# Altium PCB ZYNQ_JTY_16CH.PcbDoc (part 1 of 4) (continued)
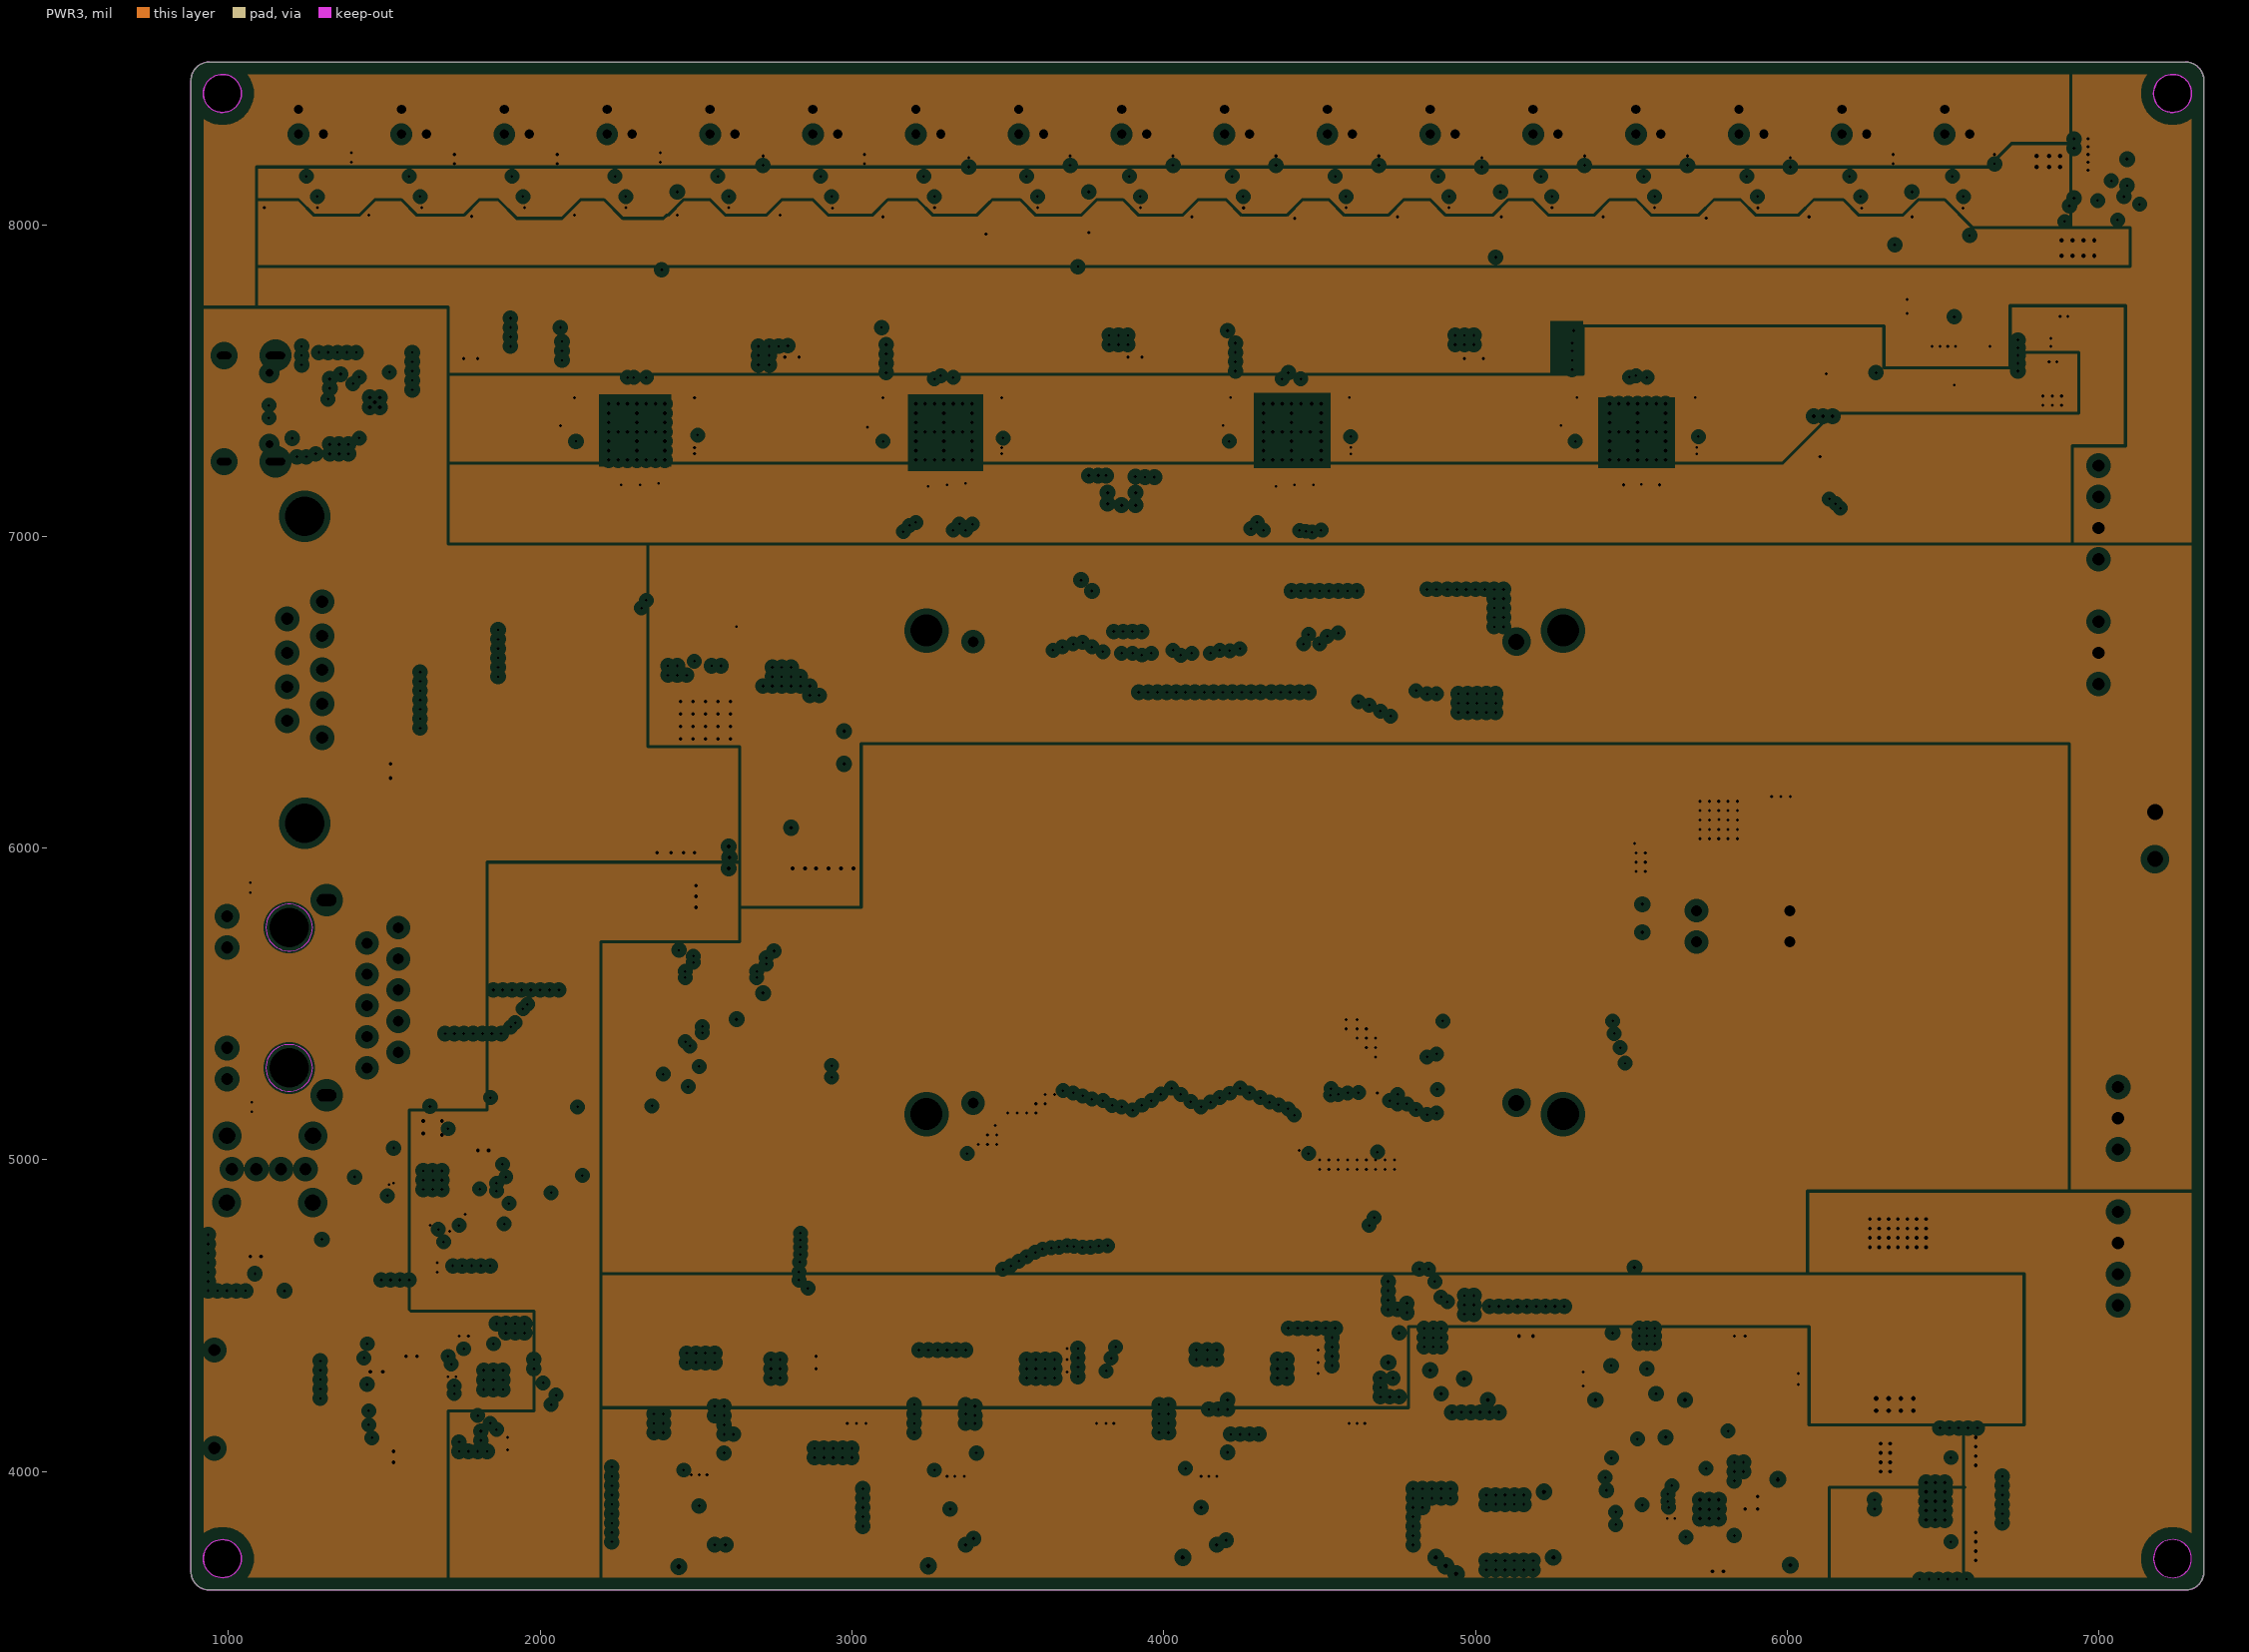
[diagram p3: PWR3, clearances drawn from the general rule]

## Layer stack, top to bottom
Top Solder: solder mask 0.4, Solder Resist, Dk 3.5
Top1: signal copper 1.4
Dielectric 2: prepreg 2.8, PP-006, Dk 4.1
GND2: plane copper 0.689, net (Multiple Nets)
Dielectric 1: dielectric 12.6, FR-4, Dk 4.8
PWR3: plane copper 0.689, net (Multiple Nets)
Dielectric 3: prepreg 2.8, PP-006, Dk 4.1
Bottom4: signal copper 1.4
Bottom Solder: solder mask 0.4, Solder Resist, Dk 3.5

## Board outline
939.07,3620 cw(c939.07,3679.06) 880.02,3679.06 880.02,8462.52 cw(c939.07,8462.52) 939.07,8521.58 7277.65,8521.58 cw(c7277.65,8462.52) 7336.71,8462.52 7336.71,3679.06 cw(c7277.65,3679.06) 7277.65,3620
cut-out: 980.83,8359.74 cw(c980.83,8420.77) 919.81,8420.77 cw(c980.83,8420.77) 980.83,8481.79 cw(c980.83,8420.77) 1041.85,8420.77 cw(c980.83,8420.77)
cut-out: 7235.89,8359.74 cw(c7235.89,8420.77) 7174.87,8420.77 cw(c7235.89,8420.77) 7235.89,8481.79 cw(c7235.89,8420.77) 7296.92,8420.77 cw(c7235.89,8420.77)
cut-out: 7174.87,3720.82 ccw(c7235.89,3720.82) 7235.89,3659.79 ccw(c7235.89,3720.82) 7296.92,3720.82 ccw(c7235.89,3720.82) 7235.89,3781.84 ccw(c7235.89,3720.82)
cut-out: 980.83,3659.79 cw(c980.83,3720.82) 919.81,3720.82 cw(c980.83,3720.82) 980.83,3781.84 cw(c980.83,3720.82) 1041.85,3720.82 cw(c980.83,3720.82)

## Design rules (kind name [scope] priority, off if disabled: settings)
Clearance Clearance_Polygon_keepout [OnLayer('Keep-Out Layer') vs InPolygon] p1: gap=10 ignorepadtopadclearanceinfootprint=TRUE
Clearance Clearance_Polygon [InPolygon] p2: gap=8 ignorepadtopadclearanceinfootprint=TRUE
Clearance [All] p3: gap=6 ignorepadtopadclearanceinfootprint=TRUE
ComponentClearance [All] p1: gap=1 collisioncheckmode=3 verticalgap=1 showdistances=FALSE
DiffPairsRouting DiffPair_90OhmDiffPairsRouting [InDifferentialPairClass('90Ohm')] p1: maxlimit=10.1 minlimit=9.9 mostfreqgap=10 toplayer_minwidth=6.3 toplayer_maxwidth=6.6 toplayer_prefwidth=6.49 bottomlayer_minwidth=6.3 bottomlayer_maxwidth=6.6 bottomlayer_prefwidth=6.49 maxuncoupledlength=500
DiffPairsRouting DiffPair_100OhmDiffPairsRouting [InDifferentialPairClass('100Ohm')] p2: maxlimit=10.2 minlimit=9.8 mostfreqgap=10 toplayer_minwidth=5 toplayer_maxwidth=5.24 toplayer_prefwidth=5.14 bottomlayer_minwidth=5 bottomlayer_maxwidth=5.24 bottomlayer_prefwidth=5.14 maxuncoupledlength=500
HoleSize [All] p1: absolutevalues=TRUE maxlimit=199 minlimit=1 maxpercent=80.000 minpercent=20.000
HoleToHoleClearance [All] p1: gap=5 allowstackedmicrovias=TRUE
MatchedLengths DiffPair_90OhmMatchedLengths [InDifferentialPairClass('90Ohm')] p1: tolerance=1000 checknetsindiffpair=FALSE checkdiffpairvsdiffpair=TRUE checkxsignals=TRUE checkothers=TRUE
MatchedLengths DiffPair_100OhmMatchedLengths [InDifferentialPairClass('100Ohm')] p2: tolerance=1000 checknetsindiffpair=FALSE checkdiffpairvsdiffpair=TRUE checkxsignals=TRUE checkothers=TRUE
PlaneClearance [All] p1: clearance=20
PlaneConnect [All] p1: planeconnectstyle=Direct reliefexpansion=20 reliefentries=4 reliefconductorwidth=10 reliefairgap=10
PolygonConnect [All] p1: connectstyle=Direct reliefconductorwidth=10 reliefentries=4 polygonreliefangle="90 Angle" airgapwidth=10
RoutingVias [All] p1: holewidth=6 width=10 viastyle="Through Hole" minholewidth=6 minwidth=10 maxholewidth=15 maxwidth=28
SolderMaskExpansion SolderMaskExpansion_Via [IsVia] p1: expansion=4 istentingtop=TRUE
SolderMaskExpansion [All] p2: expansion=2 istentingtop=FALSE
UnRoutedNet [All] p1: checkbadconnections=TRUE
Width Width_PWR [InNetClass('PWR')] p1: maxlimit=20 minlimit=8 preferedwidth=8
Width [All] p2: maxlimit=10 minlimit=6 preferedwidth=6
23 further rules are at their usual default settings.

## Classes and differential pairs
differential pair class 100Ohm: PHY1_MDI0 PHY1_MDI1 PHY1_MDI2 PHY1_MDI3
differential pair class 90Ohm: OTG_D
component class "Room Definition 41": C243 C244 C251 C252 C255 C256 R157 R159 U49 USB_UART1
component class "Room Definition 40": C249 R147 R148 R149 R150 U47
component class "Room Definition 39": C57 C58 C59 R53 U19
component class "Room Definition 38": C89 C90 C91 C92 C93 C96 C97 C98 C99 C100 C101 C102 C103 C104 C105 R56 R57 U17
component class "Room Definition 37": C106 C107 C108 C109 C110 C111 C112 C113 C114 C115 C123 C124 C127 C128 C129 R59 R60 U18
component class "Room Definition 36": C60 C61 C62 C63 C64 C77 C78 C79 C80 C81 C82 C83 C84 C85 C86 R54 R55 U16
component class "Room Definition 35": C52 C53 C54 C55 C56 C67 C68 C69 C70 C71 C72 C73 C74 C75 C76 R51 R52 U15
component class "Room Definition 34": C32 C33 C37 C40 C41 C43 C44 C45 C51 L3 R31 R32 R34 R35 R36 R37 R38 R39 R41 R42 R43 R44 R46 R47 R48 R49 U12
component class "Room Definition 33": C32 C33 C37 C40 C41 C43 C44 C45 C51 L3 R31 R32 R34 R35 R36 R37 R38 R42 R43 R44 R46 R47 R48 R49 U12
component class "Room Definition 32": C31 C34 C35 C36 C38 C39 L1 R33 R40 U10 U11
component class "Room Definition 31": C42 C46 C47 C48 C49 C50 L2 R45 R50 U13 U14
component class "Room Definition 30": C1 C2 C3 C4 C5 C6 C7 C8 C9 C10 R6 R7 R8 R9 R10 R11 R12 R13 U1 U2 U3
component class "Room Definition 29": C1 C2 C3 C4 C5 C6 C7 C8 C9 C10 R6 R7 R8 R9 R10 R11 R12 R13 U1 U3
component class "Room Definition 28": C11 C12 C13 C14 C15 C16 C17 C18 C19 C20 R15 R16 R17 R18 R19 R20 R21 R22 U4 U5 U6
component class "Room Definition 27": C21 C22 C23 C24 C25 C26 C27 C28 C29 C30 R23 R24 R25 R26 R27 R28 R29 R30 U7 U8 U9
component class "Room Definition 26": C221 C222 C223 C224 C225 R131 R132 R133 R134 R135 R136 V5
component class "Room Definition 25": C211 C212 C213 C214 C215 C216 C262 C263 R118 R119 R123 R124 R126 V6
component class "Room Definition 24": C226 C227 C228 C229 C230 R137 R138 V8
component class "Room Definition 23": C205 C206 C207 C208 C209 C210 R116 R117 R120 R121 V4
component class "Room Definition 22": C198 C199 C200 C201 C202 C203 LED2 R112 R113 R114 R115 R163
component class "Room Definition 21": C198 C199 C200 C201 C202 C203 R112 R113 R114 R115
component class "Room Definition 20": C204 C217 C218 C219 C220 L4 R122 R125 R128 R129 R130 V7
component class "Room Definition 19": C130 C131 C132 C133 C134 C135 C136 C137 C138 C139 C140 C141 C142 C143 C144 C145 C146 C147 C148 C149 C150 C151 C152 C153 C154 C155 C156 C157 C158 C159 C160 C161 C162 C163 C164 C165 C166 C167 C168 C169 C170 C171 C172 C173 C174 C175 C176 C177 C178 C179 C180 C181 C182 C183 C184 C185 C186 C187 C188 C189 C190 C191 C192 C193 C194 C195 C196 C197 P9 PW1 PW2 PW3 PW4 PX1 PX2 PX3 PX4 PY1 PY2 PY3 PY4 PZ1 PZ2 PZ3 PZ4 R61 R62 R63 R64 R65 R66 R67 R68 R69 R70 R71 R72 R73 R74 R75 R76 R77 R78 R79 R80 R81 R82 R83 R84 R85 R86 R87 R88 R89 R90 R91 R92 R93 R94 R95 R96 R97 R98 R99 R100 R101 R102 R103 R104 R105 R106 R107 R108 R109 R110 R111 U25 U26 U27 U28 U29 U30 U31 U32 U33 U34 U35 U36 U37 U38 U39 U40 U41
component class "Room Definition 18": C194 C195 C196 C197 P9 R109 R110 R111 U41
component class "Room Definition 17": C181 C185 C192 C193 PW4 R100 R104 R108 U40
component class "Room Definition 16": C165 C169 C176 C177 PW3 R88 R92 R96 U36
component class "Room Definition 15": C149 C153 C160 C161 PW2 R76 R80 R84 U32
component class "Room Definition 14": C133 C137 C144 C145 PW1 R64 R68 R72 U28
component class "Room Definition 13": C180 C184 C190 C191 PZ4 R99 R103 R107 U39
component class "Room Definition 12": C164 C168 C174 C175 PZ3 R87 R91 R95 U35
component class "Room Definition 11": C148 C152 C158 C159 PZ2 R75 R79 R83 U31
component class "Room Definition 10": C132 C136 C142 C143 PZ1 R63 R67 R71 U27
component class "Room Definition 9": C179 C183 C188 C189 PY4 R98 R102 R106 U38
component class "Room Definition 8": C163 C167 C172 C173 PY3 R86 R90 R94 U34
component class "Room Definition 7": C147 C151 C156 C157 PY2 R74 R78 R82 U30
component class "Room Definition 6": C131 C135 C138 C139 PY1 R62 R66 R70 U26
component class "Room Definition 5": C178 C182 C186 C187 PX4 R97 R101 R105 U37
component class "Room Definition 4": C162 C166 C170 C171 PX3 R85 R89 R93 U33
component class "Room Definition 3": C130 C134 C140 C141 PX1 R61 R65 R69 U25
component class "Room Definition 2": C146 C150 C154 C155 PX2 R73 R77 R81 U29
component class "Room Definition 1": C134 PX1 R65 R69 U25
net class PWR: +1.8V +3V3 +3V3_S7500 +5_7020 +5V_S7500 +A3V3_PD +A4_PD +A5_PD +A9_S7500 +D2V5_PD +D9 -5V_S7500 -A4_PD AGND1 AGND2 GAIN GND LEFT PHASE RIGHT SOA TEC+ TEC- USB_5V USB_VBUS VUSB
component class USB_HOST: C231 C232 C233 C234 C235 C236 C237 C238 C239 C240 C241 C242 R139 R140 R141 R142 R143 R144 R145 R146 U45 U46 USB1 X1
component class S7500_Drv: C1 C2 C3 C4 C5 C6 C7 C8 C9 C10 C11 C12 C13 C14 C15 C16 C17 C18 C19 C20 C21 C22 C23 C24 C25 C26 C27 C28 C29 C30 C31 C32 C33 C34 C35 C36 C37 C38 C39 C40 C41 C42 C43 C44 C45 C46 C47 C48 C49 C50 C51 L1 L2 L3 R6 R7 R8 R9 R10 R11 R12 R13 R14 R15 R16 R17 R18 R19 R20 R21 R22 R23 R24 R25 R26 R27 R28 R29 R30 R31 R32 R33 R34 R35 R36 R37 R38 R39 R40 R41 R42 R43 R44 R45 R46 R47 R48 R49 R50 U1 U2 U3 U4 U5 U6 U7 U8 U9 U10 U11 U12 U13 U14
component class PWR: C198 C199 C200 C201 C202 C203 C204 C205 C206 C207 C208 C209 C210 C211 C212 C213 C214 C215 C216 C217 C218 C219 C220 C221 C222 C223 C224 C225 C226 C227 C228 C229 C230 C261 DC_IN E1 E2 E3 E4 E5 E6 E7 E8 E10 L4 LED2 R112 R113 R114 R115 R116 R117 R118 R119 R120 R121 R122 R123 R124 R125 R126 R128 R129 R130 R131 R132 R133 R134 R135 R136 R137 R138 R163 V1 V3 V4 V5 V6 V7 V8
component class PD: C52 C53 C54 C55 C56 C57 C58 C59 C60 C61 C62 C63 C64 C65 C66 C67 C68 C69 C70 C71 C72 C73 C74 C75 C76 C77 C78 C79 C80 C81 C82 C83 C84 C85 C86 C87 C88 C89 C90 C91 C92 C93 C94 C95 C96 C97 C98 C99 C100 C101 C102 C103 C104 C105 C106 C107 C108 C109 C110 C111 C112 C113 C114 C115 C116 C117 C118 C119 C120 C121 C122 C123 C124 C125 C126 C127 C128 C129 C130 C131 C132 C133 C134 C135 C136 C137 C138 C139 C140 C141 C142 C143 C144 C145 C146 C147 C148 C149 C150 C151 C152 C153 C154 C155 C156 C157 C158 C159 C160 C161 C162 C163 C164 C165 C166 C167 C168 C169 C170 C171 C172 C173 C174 C175 C176 C177 C178 C179 C180 C181 C182 C183 C184 C185 C186 C187 C188 C189 C190 C191 C192 C193 C194 C195 C196 C197 P9 PW1 PW2 PW3 PW4 PX1 PX2 PX3 PX4 PY1 PY2 PY3 PY4 PZ1 PZ2 PZ3 PZ4 R51 R52 R53 R54 R55 R56 R57 R58 R59 R60 R61 R62 R63 R64 R65 R66 R67 R68 R69 R70 R71 R72 R73 R74 R75 R76 R77 R78 R79 R80 R81 R82 R83 R84 R85 R86 R87 R88 R89 R90 R91 R92 R93 R94 R95 R96 R97 R98 R99 R100 R101 R102 R103 R104 R105 R106 R107 R108 R109 R110 R111 U15 U16 U17 U18 U19 U20 U21 U22 U23 U24 U25 U26 U27 U28 U29 U30 U31 U32 U33 U34 U35 U36 U37 U38 U39 U40 U41
component class NET&232&USART&SD&FLASH: 232 C243 C244 C245 C246 C247 C248 C249 C250 C251 C252 C253 C254 C255 C256 C257 C258 C259 C260 GE_PS1 R147 R148 R149 R150 R151 R152 R153 R154 R155 R156 R157 R158 R159 R160 R161 R162 SD1 U47 U48 U49 U50 U51 U52 USB_UART1
component class CORE: BOOT_CFG LED1 R1 R2 R3 R4 R5
differential pair PHY1_MDI3: +PHY1_MDI3_P -PHY1_MDI3_N
differential pair PHY1_MDI2: +PHY1_MDI2_P -PHY1_MDI2_N
differential pair PHY1_MDI1: +PHY1_MDI1_P -PHY1_MDI1_N
differential pair PHY1_MDI0: +PHY1_MDI0_P -PHY1_MDI0_N
differential pair OTG_D: +OTG_D_P -OTG_D_N

## Components (designator, comment, footprint, x,y, rotation, side; value= is the part's Value field where it differs from the comment)
232 "DSUB-9" DB-9-H 1117.05,6572.13 r270 top (schematic designator J1)
7020 "ZYNQ7010&7020" ZYNQ7010&7020_CB 4824.95,6569.65 r180 top
BOOT_CFG "DIP-SW-2P" "SW DIP-2P" 5858.94,5748.94 r90 top (schematic designator SW1)
C1 "104" C0402_L 3462.72,4165 r180 top
C2 "10P" C0402_L 3475,4043.14 r90 top
C3 "104" C0402_L 3615,4137.28 r270 top
C4 "104" C0402_L 3660,4137.28 r270 top
C5 "104" C0402_L 3285,4200 r180 top
C6 "104" C0402_L 3750,4137.28 r90 top
C7 "104" C0402_L 3307.28,3765 r180 top
C8 "22uf/10V" C0402_L 3331.61,4610 r0 top
C9 "104" C0402_L 3265,4125 r0 top
C10 "104" C0402_L 3705,4137.28 r90 top
C11 "104" C0402_L 4267.72,4165 r180 top
C12 "104" C0402_L 4420,4137.28 r270 top
C13 "10P" C0402_L 4280,4045 r90 top
C14 "104" C0402_L 4465,4137.28 r270 top
C15 "104" C0402_L 4090,4200 r180 top
C16 "104" C0402_L 4555,4137.28 r90 top
C17 "104" C0402_L 4112.28,3765 r180 top
C18 "22uf/10V" C0402_L 4136.61,4610 r0 top
C19 "104" C0402_L 4070,4125 r0 top
C20 "104" C0402_L 4510,4137.28 r90 top
C21 "104" C0402_L 2657.72,4165 r180 top
C22 "104" C0402_L 2810,4137.28 r270 top
C23 "104" C0402_L 2855,4137.28 r270 top
C24 "10P" C0402_L 2670,4043.27 r90 top
C25 "104" C0402_L 2480,4200 r180 top
C26 "104" C0402_L 2945,4137.28 r90 top
C27 "104" C0402_L 2502.28,3765 r180 top
C28 "22uf/10V" C0402_L 2526.61,4610 r0 top
C29 "104" C0402_L 2460,4125 r0 top
C30 "104" C0402_L 2900,4137.28 r90 top
C31 "104" C0402_L 4775,4592.28 r90 top
C32 "47N" C0402_L 5580,3932.72 r270 top
C33 "470N" C0402_L 5760,4175 r0 top
C34 "104" C0402_L 4805,4280 r90 top
C35 "104" C0402_L 4915,4280 r90 top
C36 "104" C0402_L 4995,4457.28 r270 top
C37 "10u" C0402_L 5485,3995 r180 top
C38 "104" C0402_L 5345,4380 r270 top
C39 "104" C0402_L 4995,4377.72 r90 top
C40 "104" C0402_L 5580,3855 r270 top
C41 "104" C0402_L 5670,3699.87 r90 top
C42 "104" C0402_L 5464,4592.28 r90 top
C43 "104" C0402_L 5970,3930 r180 top
C44 "104" C0402_L 5970,3885 r180 top
C45 "104" C0402_L 5905,3992.72 r270 top
C46 "104" C0402_L 5494,4280 r90 top
C47 "104" C0402_L 5604,4280 r90 top
C48 "104" C0402_L 5684,4457.28 r270 top
C49 "104" C0402_L 6034,4380 r270 top
C50 "104" C0402_L 5684,4377.72 r90 top
C51 "22uf/10V" C0402_L 5835,3697.72 r90 top
C52 "10u" C0805_L 2027.6,7305 r180 bottom
C53 "10u" C0805_L 2220,7605 r90 bottom
C54 "10u" C0805_L 2380,7605 r90 bottom
C55 "10u" C0805_L 2582.4,7350 r0 bottom
C56 "1u" C0805_L 2300,7605 r270 bottom
C57 "10u" C0805_L 6180,7602.4 r90 top
C58 "1u" C0402_L 6115,7570 r90 top
C59 "1u" C0402_L 6085,7235 r180 bottom
C60 "10u" C0805_L 3012.6,7305 r180 bottom
C61 "10u" C0805_L 3205,7605 r90 bottom
C62 "10u" C0805_L 3365,7605 r90 bottom
C63 "10u" C0805_L 3567.4,7350 r0 bottom
C64 "1u" C0805_L 3285,7605 r270 bottom
C65 "104" C0402_L 2020,7572.72 r270 top
C66 "104" C0402_L 3065,7570 r270 top
C67 "104" C0402_L 2545,7445 r0 bottom
C68 "104" C0402_L 2547.72,7240 r0 bottom
C69 "104" C0402_L 2547.72,7195 r0 bottom
C70 "104" C0402_L 2061.08,7445 r180 bottom
C71 "10u" C0402_L 2545,7490 r0 bottom
C72 "10u" C0402_L 2547.72,7285 r0 bottom
C73 "10u" C0402_L 2061.08,7490 r180 bottom
C74 "10u" C0402_L 2547.72,7145 r0 bottom
C75 "104" C0402_L 2242.72,7135 r180 bottom
C76 "104" C0402_L 2397.28,7135 r0 bottom
C77 "104" C0402_L 3530,7445 r0 bottom
C78 "104" C0402_L 3532.72,7240 r0 bottom
C79 "104" C0402_L 3532.72,7195 r0 bottom
C80 "104" C0402_L 3046.08,7445 r180 bottom
C81 "10u" C0402_L 3530,7490 r0 bottom
C82 "10u" C0402_L 3532.72,7285 r0 bottom
C83 "10u" C0402_L 3046.08,7490 r180 bottom
C84 "10u" C0402_L 3532.72,7145 r0 bottom
C85 "104" C0402_L 3227.72,7135 r180 bottom
C86 "104" C0402_L 3382.28,7135 r0 bottom
C87 "104" C0402_L 5270,7560 r270 top
C88 "104" C0402_L 4170,7567.28 r270 top
C89 "10u" C0805_L 4127.6,7305 r180 bottom
C90 "10u" C0805_L 4320,7605 r90 bottom
C91 "10u" C0805_L 4480,7605 r90 bottom
C92 "10u" C0805_L 4682.4,7350 r0 bottom
C93 "1u" C0805_L 4400,7605 r270 bottom
C94 "104" C0402_L 2020,7650 r90 top
C95 "104" C0402_L 1795,7632.72 r90 top
C96 "104" C0402_L 4645,7445 r0 bottom
C97 "104" C0402_L 4647.72,7240 r0 bottom
C98 "104" C0402_L 4647.72,7195 r0 bottom
C99 "104" C0402_L 4161.08,7445 r180 bottom
C100 "10u" C0402_L 4645,7490 r0 bottom
C101 "10u" C0402_L 4647.72,7285 r0 bottom
C102 "10u" C0402_L 4161.08,7490 r180 bottom
C103 "10u" C0402_L 4647.72,7145 r0 bottom
C104 "104" C0402_L 4342.72,7135 r180 bottom
C105 "104" C0402_L 4497.28,7135 r0 bottom
C106 "104" C0402_L 5757.4,7445 r0 bottom
C107 "104" C0402_L 5760.12,7240 r0 bottom
C108 "104" C0402_L 5760.12,7195 r0 bottom
C109 "104" C0402_L 5273.48,7445 r180 bottom
C110 "10u" C0402_L 5757.4,7490 r0 bottom
C111 "10u" C0402_L 5760.12,7285 r0 bottom
C112 "10u" C0402_L 5273.48,7490 r180 bottom
C113 "10u" C0402_L 5760.12,7145 r0 bottom
C114 "104" C0402_L 5455.12,7135 r180 bottom
C115 "104" C0402_L 5609.69,7135 r0 bottom
C116 "104" C0402_L 3065,7650 r90 top
C117 "104" C0402_L 2830,7630 r90 top
C118 "104" C0402_L 4170,7645 r90 top
C119 "104" C0402_L 3940,7632.72 r90 top
C120 "104" C0402_L 6370,7645 r0 top
C121 "104" C0402_L 5270,7640 r90 top
C122 "104" C0402_L 5050,7625 r90 top
C123 "10u" C0805_L 5240,7305 r180 bottom
C124 "10u" C0805_L 5432.4,7605 r90 bottom
C125 "104" C0402_L 6292.28,7645 r180 top
C126 "104" C0402_L 6305,7415 r180 top
C127 "10u" C0805_L 5592.4,7605 r90 bottom
C128 "10u" C0805_L 5794.81,7349.99 r0 bottom
C129 "1u" C0805_L 5512.4,7605 r270 bottom
C130 "10P" C0402_L 1315,8110 r270 bottom
C131 "10P" C0402_L 2635,8110 r270 bottom
C132 "10P" C0402_L 3955,8110 r270 bottom
C133 "10P" C0402_L 5275,8110 r270 bottom
C134 "220P" C0402_L 1287.72,7895 r180 top
C135 "220P" C0402_L 2607.72,7895 r180 top
C136 "220P" C0402_L 3927.72,7895 r180 top
C137 "220P" C0402_L 5247.72,7895 r180 top
C138 "104" C0402_L 2575,8035 r270 bottom
C139 "104" C0402_L 2635,8035 r270 bottom
C140 "104" C0402_L 1255,8035 r270 bottom
C141 "104" C0402_L 1315,8035 r270 bottom
C142 "104" C0402_L 3895,8035 r270 bottom
C143 "104" C0402_L 3955,8035 r270 bottom
C144 "104" C0402_L 5215,8035 r270 bottom
C145 "104" C0402_L 5275,8035 r270 bottom
C146 "10P" C0402_L 1645,8110 r270 bottom
C147 "10P" C0402_L 2965,8110 r270 bottom
C148 "10P" C0402_L 4285,8110 r270 bottom
C149 "10P" C0402_L 5605,8110 r270 bottom
C150 "220P" C0402_L 1617.72,7895 r180 top
C151 "220P" C0402_L 2937.72,7895 r180 top
C152 "220P" C0402_L 4257.72,7895 r180 top
C153 "220P" C0402_L 5577.72,7895 r180 top
C154 "104" C0402_L 1585,8035 r270 bottom
C155 "104" C0402_L 1645,8035 r270 bottom
C156 "104" C0402_L 2905,8035 r270 bottom
C157 "104" C0402_L 2965,8035 r270 bottom
C158 "104" C0402_L 4225,8035 r270 bottom
C159 "104" C0402_L 4285,8035 r270 bottom
C160 "104" C0402_L 5545,8035 r270 bottom
C161 "104" C0402_L 5605,8035 r270 bottom
C162 "10P" C0402_L 1975,8110 r270 bottom
C163 "10P" C0402_L 3295,8110 r270 bottom
C164 "10P" C0402_L 4615,8110 r270 bottom
C165 "10P" C0402_L 5935,8110 r270 bottom
C166 "220P" C0402_L 1947.72,7895 r180 top
C167 "220P" C0402_L 3267.72,7895 r180 top
C168 "220P" C0402_L 4587.72,7895 r180 top
C169 "220P" C0402_L 5907.72,7895 r180 top
C170 "104" C0402_L 1915,8035 r270 bottom
C171 "104" C0402_L 1975,8035 r270 bottom
C172 "104" C0402_L 3235,8035 r270 bottom
C173 "104" C0402_L 3295,8035 r270 bottom
C174 "104" C0402_L 4555,8035 r270 bottom
C175 "104" C0402_L 4615,8035 r270 bottom
C176 "104" C0402_L 5875,8035 r270 bottom
C177 "104" C0402_L 5935,8035 r270 bottom
C178 "10P" C0402_L 2305,8110 r270 bottom
C179 "10P" C0402_L 3625,8110 r270 bottom
C180 "10P" C0402_L 4945,8110 r270 bottom
C181 "10P" C0402_L 6265,8110 r270 bottom
C182 "220P" C0402_L 2277.72,7895 r180 top
C183 "220P" C0402_L 3597.72,7895 r180 top
C184 "220P" C0402_L 4917.72,7895 r180 top
C185 "220P" C0402_L 6237.72,7895 r180 top
C186 "104" C0402_L 2245,8035 r270 bottom
C187 "104" C0402_L 2305,8035 r270 bottom
C188 "104" C0402_L 3565,8035 r270 bottom
C189 "104" C0402_L 3625,8035 r270 bottom
C190 "104" C0402_L 4885,8035 r270 bottom
C191 "104" C0402_L 4945,8035 r270 bottom
C192 "104" C0402_L 6205,8035 r270 bottom
C193 "104" C0402_L 6265,8035 r270 bottom
C194 "10P" C0402_L 6595,8110 r270 bottom
C195 "220P" C0402_L 6567.72,7895 r180 top
C196 "104" C0402_L 6535,8035 r270 bottom
C197 "104" C0402_L 6595,8035 r270 bottom
C198 "10u" C0402_L 2472.28,5915 r180 top
C199 "10u" C0402_L 2472.28,6015 r180 top
C200 "10n" C0402_L 2472.28,6060 r180 top
C201 "10n" C0402_L 2550,5842.28 r270 top
C202 "1u" C0402_L 2717.28,5955 r90 top
C203 "104" C0402_L 2762.28,5955 r90 top
C204 "10P" C0402_L 2540,6653.39 r270 top
C205 "10u" C0402_L 6867.72,7660 r0 top
C206 "10u" C0402_L 6885,7530 r0 top
C207 "10n" C0402_L 6840,7485 r0 top
C208 "10n" C0402_L 6825,7705 r0 top
C209 "1u" C0402_L 6622.72,7592.72 r270 top
C210 "104" C0402_L 6577.72,7592.72 r270 top
C211 "10n" C0402_L 6390,4080 r90 top
C212 "10n" C0402_L 6390,3720.13 r270 top
C213 "10u" C0402_L 6330,3942.72 r90 top
C214 "3.3u" C0402_L 6330,3867.28 r270 top
C215 "3.3u" C0402_L 6627.28,3840 r180 top
C216 "3.3u" C0402_L 6627.28,3975 r180 top
C217 "22u" C0402_L 2975,6435 r270 top
C218 "1u" C0402_L 2720,6653.4 r270 top
C219 "22u" C0402_L 2565,6530 r270 top
C220 "104" C0402_L 2520,6530 r270 top
C221 "4.7u" C0402_L 6930,8187.28 r90 top
C222 "4.7u" C0402_L 7005,8187.72 r90 top
C223 "1u" C0402_L 6960,7990 r0 top
C224 "2.2u" C0402_L 7042.28,7945 r180 top
C225 "2.2u" C0402_L 6849.87,8150 r180 top